# Altium PCB InfraredModule-批量.PcbDoc (part 1 of 2) (continued)
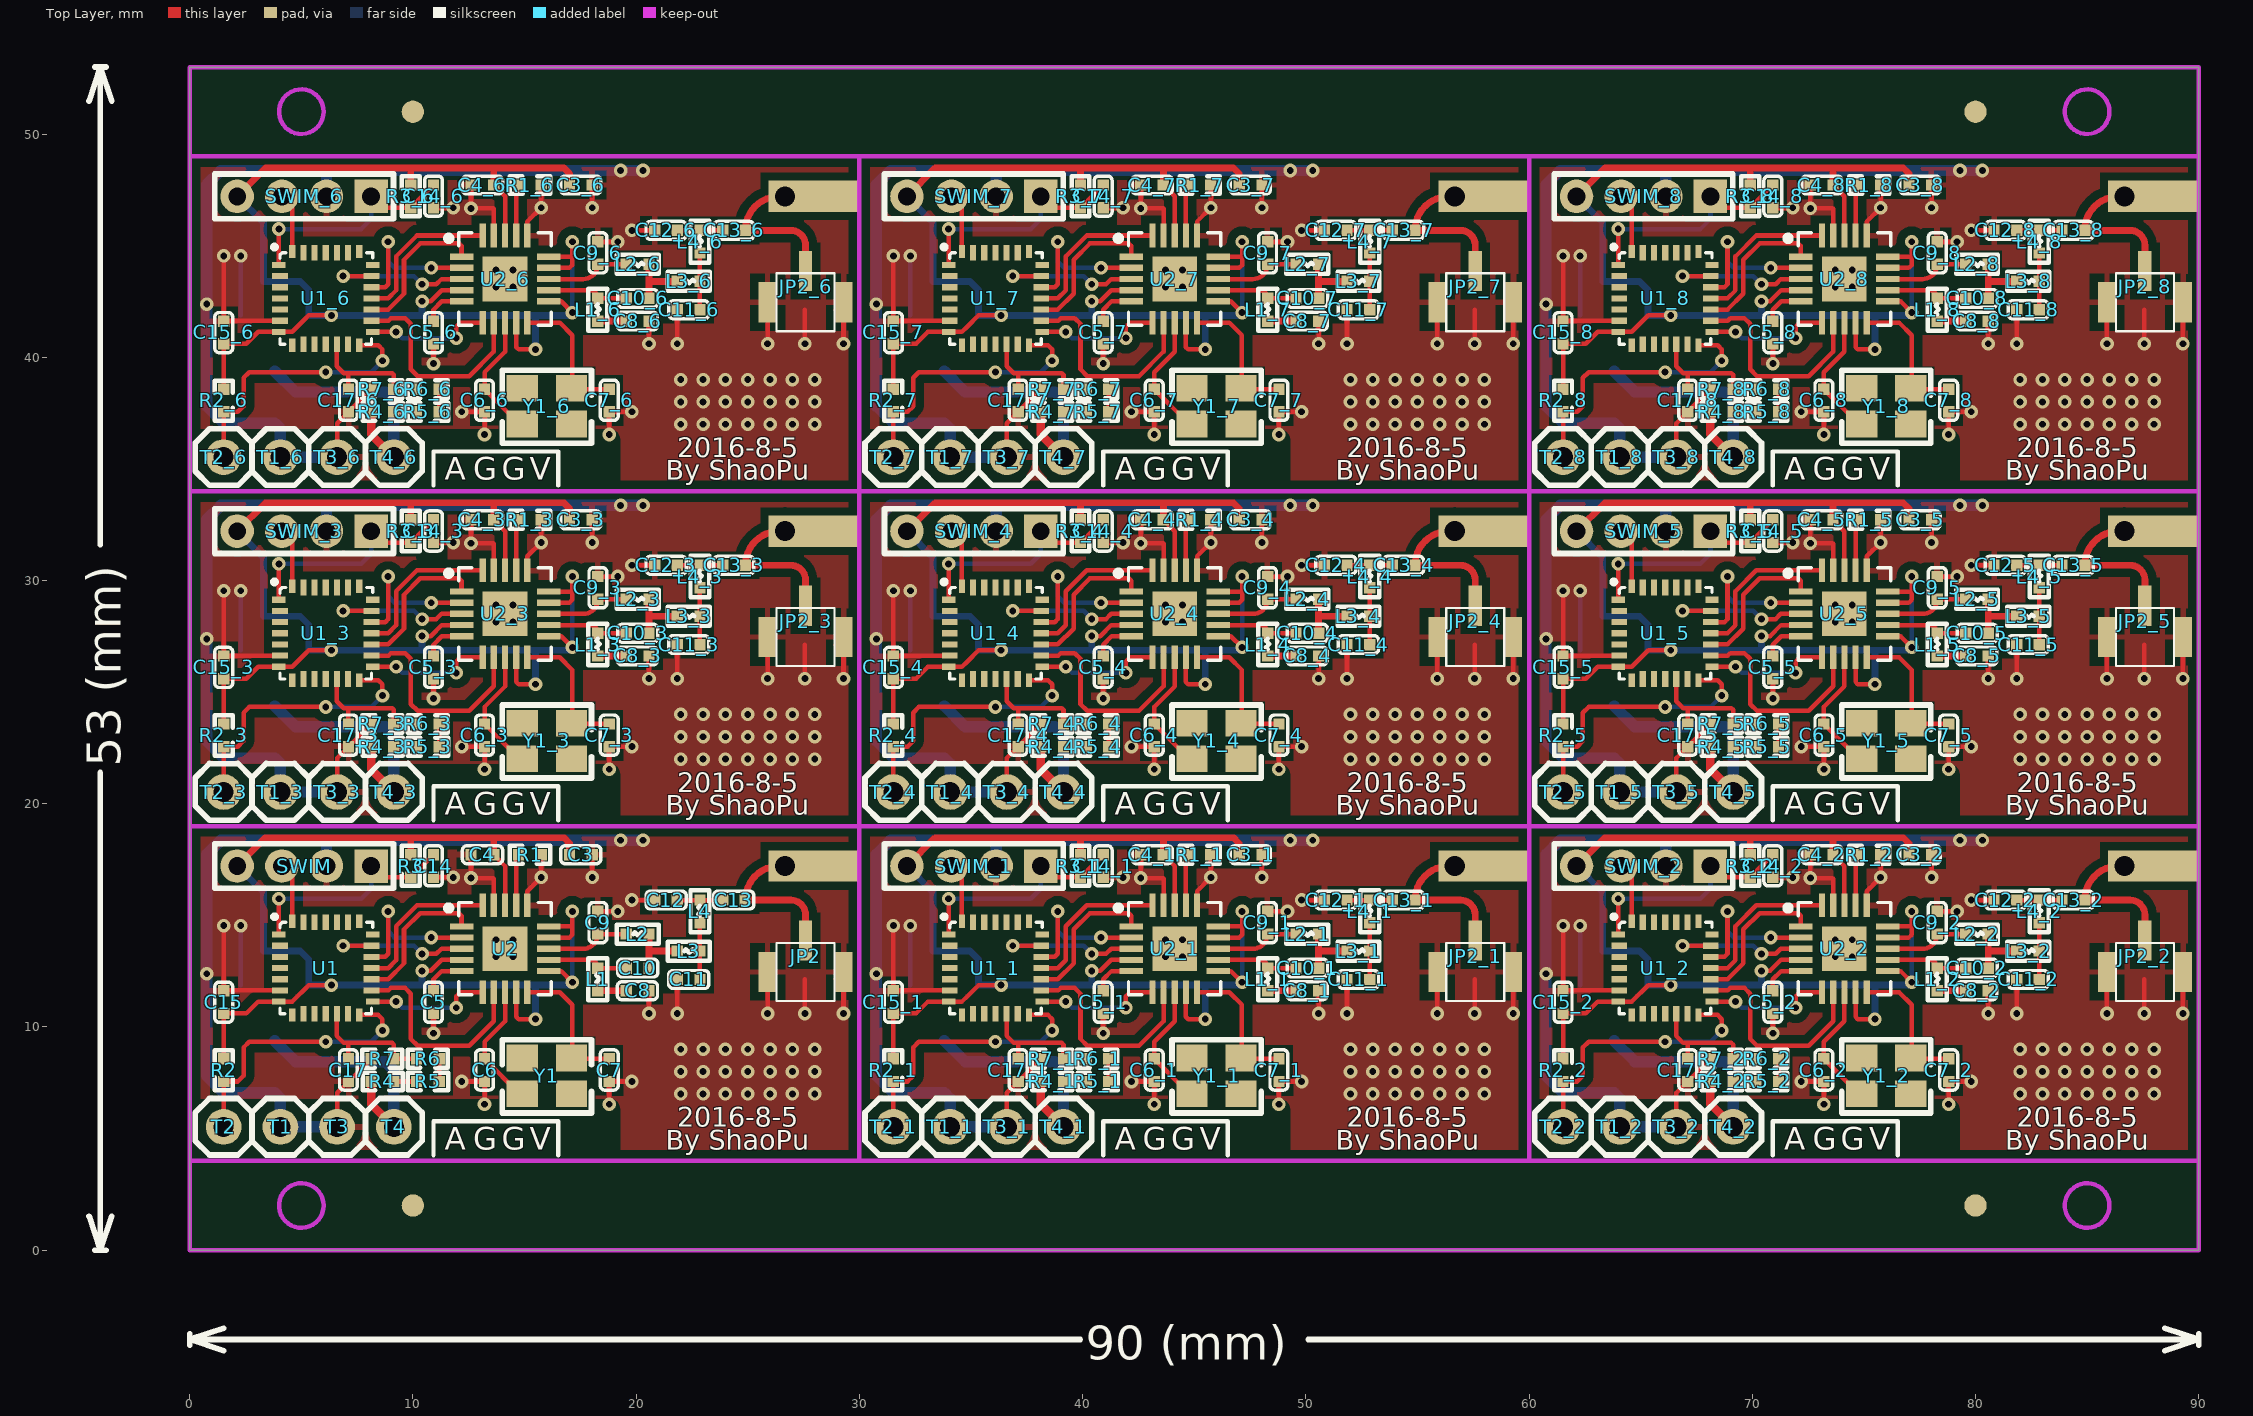
[diagram p0: Top Layer view]
## Components (designator, comment, footprint, x,y, rotation, side; value= is the part's Value field where it differs from the comment) (continued)
JP2_7 "IPEX" IPEX 57.589,44.266 r270 top
JP2_8 "IPEX" IPEX 87.589,44.266 r270 top
L1 "27nH" L0402 18.288,11.62 r90 top
L1_1 "27nH" L0402 48.288,11.62 r90 top (schematic designator L1)
L1_2 "27nH" L0402 78.288,11.62 r90 top (schematic designator L1)
L1_3 "27nH" L0402 18.288,26.62 r90 top (schematic designator L1)
L1_4 "27nH" L0402 48.288,26.62 r90 top (schematic designator L1)
L1_5 "27nH" L0402 78.288,26.62 r90 top (schematic designator L1)
L1_6 "27nH" L0402 18.288,41.62 r90 top (schematic designator L1)
L1_7 "27nH" L0402 48.288,41.62 r90 top (schematic designator L1)
L1_8 "27nH" L0402 78.288,41.62 r90 top (schematic designator L1)
L2 "27nH" L0402 19.558,14.16 r0 top
L2_1 "27nH" L0402 49.558,14.16 r0 top (schematic designator L2)
L2_2 "27nH" L0402 79.558,14.16 r0 top (schematic designator L2)
L2_3 "27nH" L0402 19.558,29.16 r0 top (schematic designator L2)
L2_4 "27nH" L0402 49.558,29.16 r0 top (schematic designator L2)
L2_5 "27nH" L0402 79.558,29.16 r0 top (schematic designator L2)
L2_6 "27nH" L0402 19.558,44.16 r0 top (schematic designator L2)
L2_7 "27nH" L0402 49.558,44.16 r0 top (schematic designator L2)
L2_8 "27nH" L0402 79.558,44.16 r0 top (schematic designator L2)
L3 "22nH" L0402 21.844,13.398 r0 top
L3_1 "22nH" L0402 51.844,13.398 r0 top (schematic designator L3)
L3_2 "22nH" L0402 81.844,13.398 r0 top (schematic designator L3)
L3_3 "22nH" L0402 21.844,28.398 r0 top (schematic designator L3)
L3_4 "22nH" L0402 51.844,28.398 r0 top (schematic designator L3)
L3_5 "22nH" L0402 81.844,28.398 r0 top (schematic designator L3)
L3_6 "22nH" L0402 21.844,43.398 r0 top (schematic designator L3)
L3_7 "22nH" L0402 51.844,43.398 r0 top (schematic designator L3)
L3_8 "22nH" L0402 81.844,43.398 r0 top (schematic designator L3)
L4 "27nH" L0402 22.86,14.668 r90 top
L4_1 "27nH" L0402 52.86,14.668 r90 top (schematic designator L4)
L4_2 "27nH" L0402 82.86,14.668 r90 top (schematic designator L4)
L4_3 "27nH" L0402 22.86,29.668 r90 top (schematic designator L4)
L4_4 "27nH" L0402 52.86,29.668 r90 top (schematic designator L4)
L4_5 "27nH" L0402 82.86,29.668 r90 top (schematic designator L4)
L4_6 "27nH" L0402 22.86,44.668 r90 top (schematic designator L4)
L4_7 "27nH" L0402 52.86,44.668 r90 top (schematic designator L4)
L4_8 "27nH" L0402 82.86,44.668 r90 top (schematic designator L4)
R1 "56K" R0402 15.748,17.716 r180 top
R1_1 "56K" R0402 45.748,17.716 r180 top (schematic designator R1)
R1_2 "56K" R0402 75.748,17.716 r180 top (schematic designator R1)
R1_3 "56K" R0402 15.748,32.716 r180 top (schematic designator R1)
R1_4 "56K" R0402 45.748,32.716 r180 top (schematic designator R1)
R1_5 "56K" R0402 75.748,32.716 r180 top (schematic designator R1)
R1_6 "56K" R0402 15.748,47.716 r180 top (schematic designator R1)
R1_7 "56K" R0402 45.748,47.716 r180 top (schematic designator R1)
R1_8 "56K" R0402 75.748,47.716 r180 top (schematic designator R1)
R2 "3.3M" R0402 1.524,7.556 r90 top
R2_1 "3.3M" R0402 31.524,7.556 r90 top (schematic designator R2)
R2_2 "3.3M" R0402 61.524,7.556 r90 top (schematic designator R2)
R2_3 "3.3M" R0402 1.524,22.556 r90 top (schematic designator R2)
R2_4 "3.3M" R0402 31.524,22.556 r90 top (schematic designator R2)
R2_5 "3.3M" R0402 61.524,22.556 r90 top (schematic designator R2)
R2_6 "3.3M" R0402 1.524,37.556 r90 top (schematic designator R2)
R2_7 "3.3M" R0402 31.524,37.556 r90 top (schematic designator R2)
R2_8 "3.3M" R0402 61.524,37.556 r90 top (schematic designator R2)
R3 "10K" R0402 9.906,17.716 r270 top
R3_1 "10K" R0402 39.906,17.716 r270 top (schematic designator R3)
R3_2 "10K" R0402 69.906,17.716 r270 top (schematic designator R3)
R3_3 "10K" R0402 9.906,32.716 r270 top (schematic designator R3)
R3_4 "10K" R0402 39.906,32.716 r270 top (schematic designator R3)
R3_5 "10K" R0402 69.906,32.716 r270 top (schematic designator R3)
R3_6 "10K" R0402 9.906,47.716 r270 top (schematic designator R3)
R3_7 "10K" R0402 39.906,47.716 r270 top (schematic designator R3)
R3_8 "10K" R0402 69.906,47.716 r270 top (schematic designator R3)
R4 "3.3M" R0402 9.144,7.556 r180 top
R4_1 "3.3M" R0402 39.144,7.556 r180 top (schematic designator R4)
R4_2 "3.3M" R0402 69.144,7.556 r180 top (schematic designator R4)
R4_3 "3.3M" R0402 9.144,22.556 r180 top (schematic designator R4)
R4_4 "3.3M" R0402 39.144,22.556 r180 top (schematic designator R4)
R4_5 "3.3M" R0402 69.144,22.556 r180 top (schematic designator R4)
R4_6 "3.3M" R0402 9.144,37.556 r180 top (schematic designator R4)
R4_7 "3.3M" R0402 39.144,37.556 r180 top (schematic designator R4)
R4_8 "3.3M" R0402 69.144,37.556 r180 top (schematic designator R4)
R5 "3.3M" R0402 11.176,7.556 r180 top
R5_1 "3.3M" R0402 41.176,7.556 r180 top (schematic designator R5)
R5_2 "3.3M" R0402 71.176,7.556 r180 top (schematic designator R5)
R5_3 "3.3M" R0402 11.176,22.556 r180 top (schematic designator R5)
R5_4 "3.3M" R0402 41.176,22.556 r180 top (schematic designator R5)
R5_5 "3.3M" R0402 71.176,22.556 r180 top (schematic designator R5)
R5_6 "3.3M" R0402 11.176,37.556 r180 top (schematic designator R5)
R5_7 "3.3M" R0402 41.176,37.556 r180 top (schematic designator R5)
R5_8 "3.3M" R0402 71.176,37.556 r180 top (schematic designator R5)
R6 "3.3M" R0402 10.16,8.572 r0 top
R6_1 "3.3M" R0402 40.16,8.572 r0 top (schematic designator R6)
R6_2 "3.3M" R0402 70.16,8.572 r0 top (schematic designator R6)
R6_3 "3.3M" R0402 10.16,23.572 r0 top (schematic designator R6)
R6_4 "3.3M" R0402 40.16,23.572 r0 top (schematic designator R6)
R6_5 "3.3M" R0402 70.16,23.572 r0 top (schematic designator R6)
R6_6 "3.3M" R0402 10.16,38.572 r0 top (schematic designator R6)
R6_7 "3.3M" R0402 40.16,38.572 r0 top (schematic designator R6)
R6_8 "3.3M" R0402 70.16,38.572 r0 top (schematic designator R6)
R7 "3.3M" R0402 8.128,8.572 r0 top
R7_1 "3.3M" R0402 38.128,8.572 r0 top (schematic designator R7)
R7_2 "3.3M" R0402 68.128,8.572 r0 top (schematic designator R7)
R7_3 "3.3M" R0402 8.128,23.572 r0 top (schematic designator R7)
R7_4 "3.3M" R0402 38.128,23.572 r0 top (schematic designator R7)
R7_5 "3.3M" R0402 68.128,23.572 r0 top (schematic designator R7)
R7_6 "3.3M" R0402 8.128,38.572 r0 top (schematic designator R7)
R7_7 "3.3M" R0402 38.128,38.572 r0 top (schematic designator R7)
R7_8 "3.3M" R0402 68.128,38.572 r0 top (schematic designator R7)
SWIM "" SIP4-2MM 8.128,17.208 r180 top
SWIM_1 "" SIP4-2MM 38.128,17.208 r180 top (schematic designator SWIM)
SWIM_2 "" SIP4-2MM 68.128,17.208 r180 top (schematic designator SWIM)
SWIM_3 "" SIP4-2MM 8.128,32.208 r180 top (schematic designator SWIM)
SWIM_4 "" SIP4-2MM 38.128,32.208 r180 top (schematic designator SWIM)
SWIM_5 "" SIP4-2MM 68.128,32.208 r180 top (schematic designator SWIM)
SWIM_6 "" SIP4-2MM 8.128,47.208 r180 top (schematic designator SWIM)
SWIM_7 "" SIP4-2MM 38.128,47.208 r180 top (schematic designator SWIM)
SWIM_8 "" SIP4-2MM 68.128,47.208 r180 top (schematic designator SWIM)
T1 "" TP 4.064,5.524 r0 top
T1_1 "" TP 34.064,5.524 r0 top (schematic designator T1)
T1_2 "" TP 64.064,5.524 r0 top (schematic designator T1)
T1_3 "" TP 4.064,20.524 r0 top (schematic designator T1)
T1_4 "" TP 34.064,20.524 r0 top (schematic designator T1)
T1_5 "" TP 64.064,20.524 r0 top (schematic designator T1)
T1_6 "" TP 4.064,35.524 r0 top (schematic designator T1)
T1_7 "" TP 34.064,35.524 r0 top (schematic designator T1)
T1_8 "" TP 64.064,35.524 r0 top (schematic designator T1)
T2 "" TP 1.524,5.524 r0 top
T2_1 "" TP 31.524,5.524 r0 top (schematic designator T2)
T2_2 "" TP 61.524,5.524 r0 top (schematic designator T2)
T2_3 "" TP 1.524,20.524 r0 top (schematic designator T2)
T2_4 "" TP 31.524,20.524 r0 top (schematic designator T2)
T2_5 "" TP 61.524,20.524 r0 top (schematic designator T2)
T2_6 "" TP 1.524,35.524 r0 top (schematic designator T2)
T2_7 "" TP 31.524,35.524 r0 top (schematic designator T2)
T2_8 "" TP 61.524,35.524 r0 top (schematic designator T2)
T3 "" TP 6.604,5.524 r0 top
T3_1 "" TP 36.604,5.524 r0 top (schematic designator T3)
T3_2 "" TP 66.604,5.524 r0 top (schematic designator T3)
T3_3 "" TP 6.604,20.524 r0 top (schematic designator T3)
T3_4 "" TP 36.604,20.524 r0 top (schematic designator T3)
T3_5 "" TP 66.604,20.524 r0 top (schematic designator T3)
T3_6 "" TP 6.604,35.524 r0 top (schematic designator T3)
T3_7 "" TP 36.604,35.524 r0 top (schematic designator T3)
T3_8 "" TP 66.604,35.524 r0 top (schematic designator T3)
T4 "" TP 9.144,5.524 r0 top
T4_1 "" TP 39.144,5.524 r0 top (schematic designator T4)
T4_2 "" TP 69.144,5.524 r0 top (schematic designator T4)
T4_3 "" TP 9.144,20.524 r0 top (schematic designator T4)
T4_4 "" TP 39.144,20.524 r0 top (schematic designator T4)
T4_5 "" TP 69.144,20.524 r0 top (schematic designator T4)
T4_6 "" TP 9.144,35.524 r0 top (schematic designator T4)
T4_7 "" TP 39.144,35.524 r0 top (schematic designator T4)
T4_8 "" TP 69.144,35.524 r0 top (schematic designator T4)
U1 "STM8L151Gx-UFQFPN28" QFN28-4X4 6.096,12.636 r0 top
U1_1 "STM8L151Gx-UFQFPN28" QFN28-4X4 36.096,12.636 r0 top (schematic designator U1)
U1_2 "STM8L151Gx-UFQFPN28" QFN28-4X4 66.096,12.636 r0 top (schematic designator U1)
U1_3 "STM8L151Gx-UFQFPN28" QFN28-4X4 6.096,27.636 r0 top (schematic designator U1)
U1_4 "STM8L151Gx-UFQFPN28" QFN28-4X4 36.096,27.636 r0 top (schematic designator U1)
U1_5 "STM8L151Gx-UFQFPN28" QFN28-4X4 66.096,27.636 r0 top (schematic designator U1)
U1_6 "STM8L151Gx-UFQFPN28" QFN28-4X4 6.096,42.636 r0 top (schematic designator U1)
U1_7 "STM8L151Gx-UFQFPN28" QFN28-4X4 36.096,42.636 r0 top (schematic designator U1)
U1_8 "STM8L151Gx-UFQFPN28" QFN28-4X4 66.096,42.636 r0 top (schematic designator U1)
U2 "CC1101" QLP-20 14.127,13.504 r0 top
U2_1 "CC1101" QLP-20 44.127,13.504 r0 top (schematic designator U2)
U2_2 "CC1101" QLP-20 74.127,13.504 r0 top (schematic designator U2)
U2_3 "CC1101" QLP-20 14.127,28.504 r0 top (schematic designator U2)
U2_4 "CC1101" QLP-20 44.127,28.504 r0 top (schematic designator U2)
U2_5 "CC1101" QLP-20 74.127,28.504 r0 top (schematic designator U2)
U2_6 "CC1101" QLP-20 14.127,43.504 r0 top (schematic designator U2)
U2_7 "CC1101" QLP-20 44.127,43.504 r0 top (schematic designator U2)
U2_8 "CC1101" QLP-20 74.127,43.504 r0 top (schematic designator U2)
U3 "HT753X" SOT-89 3.81,11.874 r0 bottom
U3_1 "HT753X" SOT-89 33.81,11.874 r0 bottom (schematic designator U3)
U3_2 "HT753X" SOT-89 63.81,11.874 r0 bottom (schematic designator U3)
U3_3 "HT753X" SOT-89 3.81,26.874 r0 bottom (schematic designator U3)
U3_4 "HT753X" SOT-89 33.81,26.874 r0 bottom (schematic designator U3)
U3_5 "HT753X" SOT-89 63.81,26.874 r0 bottom (schematic designator U3)
U3_6 "HT753X" SOT-89 3.81,41.874 r0 bottom (schematic designator U3)
U3_7 "HT753X" SOT-89 33.81,41.874 r0 bottom (schematic designator U3)
U3_8 "HT753X" SOT-89 63.81,41.874 r0 bottom (schematic designator U3)
Y1 "26M" XTAL-(3.2X2.5MM)-4P 16.002,7.81 r180 top
Y1_1 "26M" XTAL-(3.2X2.5MM)-4P 46.002,7.81 r180 top (schematic designator Y1)
Y1_2 "26M" XTAL-(3.2X2.5MM)-4P 76.002,7.81 r180 top (schematic designator Y1)
Y1_3 "26M" XTAL-(3.2X2.5MM)-4P 16.002,22.81 r180 top (schematic designator Y1)
Y1_4 "26M" XTAL-(3.2X2.5MM)-4P 46.002,22.81 r180 top (schematic designator Y1)
Y1_5 "26M" XTAL-(3.2X2.5MM)-4P 76.002,22.81 r180 top (schematic designator Y1)
Y1_6 "26M" XTAL-(3.2X2.5MM)-4P 16.002,37.81 r180 top (schematic designator Y1)
Y1_7 "26M" XTAL-(3.2X2.5MM)-4P 46.002,37.81 r180 top (schematic designator Y1)
Y1_8 "26M" XTAL-(3.2X2.5MM)-4P 76.002,37.81 r180 top (schematic designator Y1)

## Footprints (in the part's own frame and the unit in brackets; to place one, negate y for a bottom-side part, rotate by r counter-clockwise, add the part's x,y. Pads: shape width x height; smd on the part's side, far side on the other; paste and mask are expansions set on the pad)
C0402 [mil]
  rect 20x20 smd: 1(0,0) 2(40,0)
  silkscreen extent -16,-16 55,16, body extent 0,-10 39,10, height 20
IPEX [mm]
  rect 1.8x0.8 smd: 0(1.8,1.7) 0(1.8,-1.7)
  rect 1.8x0.6 smd: 1(0.4,0)
  silkscreen extent 0.5,-1.3 3.1,1.3
L0402 [mil]
  rect 20x20 smd: 1(0,0) 2(40,0)
  silkscreen extent -17,-17 57,17, body extent 0,-10 39,10, height 24
QFN28-4X4 [mm] "UFQFPN28"
  rect 0.6x0.28 smd: 1(-2.1,1.5) 7(-2.1,-1.5) 15(2.1,-1.5) 21(2.1,1.5)
  rect 0.7x0.28 smd: 2(-2.05,1) 3(-2.05,0.5) 4(-2.05,0) 5(-2.05,-0.5) 6(-2.05,-1) 16(2.05,-1) 17(2.05,-0.5) 18(2.05,0) 19(2.05,0.5) 20(2.05,1)
  rect 0.28x0.6 smd: 8(-1.5,-2.1) 14(1.5,-2.1) 22(1.5,2.1) 28(-1.5,2.1)
  rect 0.28x0.7 smd: 9(-1,-2.05) 10(-0.5,-2.05) 11(0,-2.05) 12(0.5,-2.05) 13(1,-2.05) 23(1,2.05) 24(0.5,2.05) 25(0,2.05) 26(-0.5,2.05) 27(-1,2.05)
  silkscreen extent -2.35,-2.05 2.1,2.35
QLP-20 [mm]
  rect 1.054x0.28 smd: 1(-1.949,1) 2(-1.949,0.5) 3(-1.949,0) 4(-1.949,-0.5) 5(-1.949,-1) 11(1.949,-1) 12(1.949,-0.5) 13(1.949,0) 14(1.949,0.5) 15(1.949,1)
  rect 0.28x1.054 smd: 6(-1,-1.949) 7(-0.5,-1.949) 8(0,-1.949) 9(0.5,-1.949) 10(1,-1.949) 16(1,1.949) 17(0.5,1.949) 18(0,1.949) 19(-0.5,1.949) 20(-1,1.949)
  rect 2x2 smd paste-1.194 mask-1.194: 21(0,-0.001)
  silkscreen extent -2.65,-2.07 2.07,2.07, body extent -2.02,-2 2.02,2.04, height 0.8
R0402 [mil]
  rect 20x20 smd: 1(0,0) 2(40,0)
  silkscreen extent -16,-16 55,16, body extent 0,-9 39,11, height 14
SIP4-2MM [mm]
  rect 1.5x1.5 hole 0.8: 1(0,0)
  round 1.5 hole 0.8: 2(2,0) 3(4,0) 4(6,0)
  silkscreen extent -1,-1 7,1
SOT-89 [mil]
  rect 34x50 smd: 1(-60,0) 3(60,0)
  rect 34x100 smd: 2(0,23.62)
  oct 78.74x133.86 smd: 2(0,98.43)
  silkscreen extent -80,40 80,170, body extent -89,-15 88,154, height 59
TP [mm]
  round 1.6 hole 0.9: 1(0,0)
  silkscreen extent -1.27,-1.26 1.27,1.28, body extent -1.27,-1.27 1.27,1.27, height 8.54
XTAL-(3.2X2.5MM)-4P [mm]
  rect 1.397x1.194 smd: 1(-1.1,-0.8) 2(1.1,0.8) 3(1.1,-0.8) 4(-1.1,0.8)
  silkscreen extent -2,-1.61 2,1.66

## Part data
C2 C2_1 C2_2 C2_3 C2_4 C2_5 C2_6 C2_7 C2_8 C3 C3_1 C3_2 C3_3 C3_4 C3_5 C3_6 C3_7 C3_8 C4 C4_1 C4_2 C4_3 C4_4 C4_5 C4_6 C4_7 C4_8 C5 C5_1 C5_2 C5_3 C5_4 C5_5 C5_6 C5_7 C5_8 C6 C6_1 C6_2 C6_3 C6_4 C6_5 C6_6 C6_7 C6_8 C7 C7_1 C7_2 C7_3 C7_4 C7_5 C7_6 C7_7 C7_8 C8 C8_1 C8_2 C8_3 C8_4 C8_5 C8_6 C8_7 C8_8 C9 C9_1 C9_2 C9_3 C9_4 C9_5 C9_6 C9_7 C9_8 C10 C10_1 C10_2 C10_3 C10_4 C10_5 C10_6 C10_7 C10_8 C11 C11_1 C11_2 C11_3 C11_4 C11_5 C11_6 C11_7 C11_8 C12 C12_1 C12_2 C12_3 C12_4 C12_5 C12_6 C12_7 C12_8 C13 C13_1 C13_2 C13_3 C13_4 C13_5 C13_6 C13_7 C13_8 C14 C14_1 C14_2 C14_3 C14_4 C14_5 C14_6 C14_7 C14_8 C15 C15_1 C15_2 C15_3 C15_4 C15_5 C15_6 C15_7 C15_8 C17 C17_1 C17_2 C17_3 C17_4 C17_5 C17_6 C17_7 C17_8: library part CAP, "无极性电容"
L1 L1_1 L1_2 L1_3 L1_4 L1_5 L1_6 L1_7 L1_8 L2 L2_1 L2_2 L2_3 L2_4 L2_5 L2_6 L2_7 L2_8 L3 L3_1 L3_2 L3_3 L3_4 L3_5 L3_6 L3_7 L3_8 L4 L4_1 L4_2 L4_3 L4_4 L4_5 L4_6 L4_7 L4_8: library part INDUCTOR, "电感"
R1 R1_1 R1_2 R1_3 R1_4 R1_5 R1_6 R1_7 R1_8 R2 R2_1 R2_2 R2_3 R2_4 R2_5 R2_6 R2_7 R2_8 R3 R3_1 R3_2 R3_3 R3_4 R3_5 R3_6 R3_7 R3_8 R4 R4_1 R4_2 R4_3 R4_4 R4_5 R4_6 R4_7 R4_8 R5 R5_1 R5_2 R5_3 R5_4 R5_5 R5_6 R5_7 R5_8 R6 R6_1 R6_2 R6_3 R6_4 R6_5 R6_6 R6_7 R6_8 R7 R7_1 R7_2 R7_3 R7_4 R7_5 R7_6 R7_7 R7_8: library part RES2, "贴片电阻"
SWIM SWIM_1 SWIM_2 SWIM_3 SWIM_4 SWIM_5 SWIM_6 SWIM_7 SWIM_8: library part "HEADER 4X1"
T1 T1_1 T1_2 T1_3 T1_4 T1_5 T1_6 T1_7 T1_8 T2 T2_1 T2_2 T2_3 T2_4 T2_5 T2_6 T2_7 T2_8 T3 T3_1 T3_2 T3_3 T3_4 T3_5 T3_6 T3_7 T3_8 T4 T4_1 T4_2 T4_3 T4_4 T4_5 T4_6 T4_7 T4_8: library part TP, "测试点/触摸点"
U1 U1_1 U1_2 U1_3 U1_4 U1_5 U1_6 U1_7 U1_8: "STM8L单片机28引脚,封装UFQFPN28"
U2 U2_1 U2_2 U2_3 U2_4 U2_5 U2_6 U2_7 U2_8: "RF芯片 TI CC系列"
U3 U3_1 U3_2 U3_3 U3_4 U3_5 U3_6 U3_7 U3_8: "合泰稳压芯片HT系列"
Y1 Y1_1 Y1_2 Y1_3 Y1_4 Y1_5 Y1_6 Y1_7 Y1_8: library part XTAL, "晶振"

## Free pads (board coordinates)
  round 1 smd: 0(10,2) 0(10,51) 0(80,2) 0(80,51)
  round 1.4 hole 0.9: 0(26.67,17.208) 0(26.67,32.208) 0(26.67,47.208) 0(56.67,17.208) 0(56.67,32.208) 0(56.67,47.208) 0(86.67,17.208) 0(86.67,32.208) 0(86.67,47.208)
  rect 4x1.4 smd: 0(27.94,17.208) 0(27.94,32.208) 0(27.94,47.208) 0(57.94,17.208) 0(57.94,32.208) 0(57.94,47.208) 0(87.94,17.208) 0(87.94,32.208) 0(87.94,47.208)

## Via types
v1: diameter 0.61, hole 0.305, Top Layer to Bottom Layer, 540 vias

## Nets (pads, with @x,y where several pads share a name; then routed paths per layer and width w, separated by ;. In a path a pad name is that pad's centre, name@x,y a point inside that pad or via, vN(x,y) a via of type N, cw(c..) or ccw(c..) an arc to the next point about the centre after c; other vN are vias at no path point)
+3V: 
+12V: 
CSN: 
GDO0: 
GDO2: 
GND: 
KEY: 
LED: 
MISO: 
MOSI: 
NetC5_2: 
NetC8_1: 
NetC10_1: 
NetC11_1: 
NetC12_1: 
NetR1_2: 
NetR4_1: 
NetR5_1: 
PB0: 
RF_N: 
RF_P: 
RFOUT: 
RST: 
RX: 
SCK: 
SWIM: 
TX: 
XOSC1: 
XOSC2: 
pads on no net: C2.1 C2.2 C2_1.1 C2_1.2 C2_2.1 C2_2.2 C2_3.1 C2_3.2 C2_4.1 C2_4.2 C2_5.1 C2_5.2 C2_6.1 C2_6.2 C2_7.1 C2_7.2 C2_8.1 C2_8.2 C3.1 C3.2 C3_1.1 C3_1.2 C3_2.1 C3_2.2 C3_3.1 C3_3.2 C3_4.1 C3_4.2 C3_5.1 C3_5.2 C3_6.1 C3_6.2 C3_7.1 C3_7.2 C3_8.1 C3_8.2 C4.1 C4.2 C4_1.1 C4_1.2 C4_2.1 C4_2.2 C4_3.1 C4_3.2 C4_4.1 C4_4.2 C4_5.1 C4_5.2 C4_6.1 C4_6.2 C4_7.1 C4_7.2 C4_8.1 C4_8.2 C5.1 C5.2 C5_1.1 C5_1.2 C5_2.1 C5_2.2 C5_3.1 C5_3.2 C5_4.1 C5_4.2 C5_5.1 C5_5.2 C5_6.1 C5_6.2 C5_7.1 C5_7.2 C5_8.1 C5_8.2 C6.1 C6.2 C6_1.1 C6_1.2 C6_2.1 C6_2.2 C6_3.1 C6_3.2 C6_4.1 C6_4.2 C6_5.1 C6_5.2 C6_6.1 C6_6.2 C6_7.1 C6_7.2 C6_8.1 C6_8.2 C7.1 C7.2 C7_1.1 C7_1.2 C7_2.1 C7_2.2 C7_3.1 C7_3.2 C7_4.1 C7_4.2 C7_5.1 C7_5.2 C7_6.1 C7_6.2 C7_7.1 C7_7.2 C7_8.1 C7_8.2 C8.1 C8.2 C8_1.1 C8_1.2 C8_2.1 C8_2.2 C8_3.1 C8_3.2 C8_4.1 C8_4.2 C8_5.1 C8_5.2 C8_6.1 C8_6.2 C8_7.1 C8_7.2 C8_8.1 C8_8.2 C9.1 C9.2 C9_1.1 C9_1.2 C9_2.1 C9_2.2 C9_3.1 C9_3.2 C9_4.1 C9_4.2 C9_5.1 C9_5.2 C9_6.1 C9_6.2 C9_7.1 C9_7.2 C9_8.1 C9_8.2 C10.1 C10.2 C10_1.1 C10_1.2 C10_2.1 C10_2.2 C10_3.1 C10_3.2 C10_4.1 C10_4.2 C10_5.1 C10_5.2 C10_6.1 C10_6.2 C10_7.1 C10_7.2 C10_8.1 C10_8.2 C11.1 C11.2 C11_1.1 C11_1.2 C11_2.1 C11_2.2 C11_3.1 C11_3.2 C11_4.1 C11_4.2 C11_5.1 C11_5.2 C11_6.1 C11_6.2 C11_7.1 C11_7.2 C11_8.1 C11_8.2 C12.1 C12.2 C12_1.1 C12_1.2 C12_2.1 C12_2.2 C12_3.1 C12_3.2 C12_4.1 C12_4.2 C12_5.1 C12_5.2 C12_6.1 C12_6.2 C12_7.1 C12_7.2 C12_8.1 C12_8.2 C13.1 C13.2 C13_1.1 C13_1.2 C13_2.1 C13_2.2 C13_3.1 C13_3.2 C13_4.1 C13_4.2 C13_5.1 C13_5.2 C13_6.1 C13_6.2 C13_7.1 C13_7.2 C13_8.1 C13_8.2 C14.1 C14.2 C14_1.1 C14_1.2 C14_2.1 C14_2.2 C14_3.1 C14_3.2 C14_4.1 C14_4.2 C14_5.1 C14_5.2 C14_6.1 C14_6.2 C14_7.1 C14_7.2 C14_8.1 C14_8.2 C15.1 C15.2 C15_1.1 C15_1.2 C15_2.1 C15_2.2 C15_3.1 C15_3.2 C15_4.1 C15_4.2 C15_5.1 C15_5.2 C15_6.1 C15_6.2 C15_7.1 C15_7.2 C15_8.1 C15_8.2 C17.1 C17.2 C17_1.1 C17_1.2 C17_2.1 C17_2.2 C17_3.1 C17_3.2 C17_4.1 C17_4.2 C17_5.1 C17_5.2 C17_6.1 C17_6.2 C17_7.1 C17_7.2 C17_8.1 C17_8.2 JP2.0 JP2.1 JP2_1.0 JP2_1.1 JP2_2.0 JP2_2.1 JP2_3.0 JP2_3.1 JP2_4.0 JP2_4.1 JP2_5.0 JP2_5.1 JP2_6.0 JP2_6.1 JP2_7.0 JP2_7.1 JP2_8.0 JP2_8.1 L1.1 L1.2 L1_1.1 L1_1.2 L1_2.1 L1_2.2 L1_3.1 L1_3.2 L1_4.1 L1_4.2 L1_5.1 L1_5.2 L1_6.1 L1_6.2 L1_7.1 L1_7.2 L1_8.1 L1_8.2 L2.1 L2.2 L2_1.1 L2_1.2 L2_2.1 L2_2.2 L2_3.1 L2_3.2 L2_4.1 L2_4.2 L2_5.1 L2_5.2 L2_6.1 L2_6.2 L2_7.1 L2_7.2 L2_8.1 L2_8.2 L3.1 L3.2 L3_1.1 L3_1.2 L3_2.1 L3_2.2 L3_3.1 L3_3.2 L3_4.1 L3_4.2 L3_5.1 L3_5.2 L3_6.1 L3_6.2 L3_7.1 L3_7.2 L3_8.1 L3_8.2 L4.1 L4.2 L4_1.1 L4_1.2 L4_2.1 L4_2.2 L4_3.1 L4_3.2 L4_4.1 L4_4.2 L4_5.1 L4_5.2 L4_6.1 L4_6.2 L4_7.1 L4_7.2 L4_8.1 L4_8.2 R1.1 R1.2 R1_1.1 R1_1.2 R1_2.1 R1_2.2 R1_3.1 R1_3.2 R1_4.1 R1_4.2 R1_5.1 R1_5.2 R1_6.1 R1_6.2 R1_7.1 R1_7.2 R1_8.1 R1_8.2 R2.1 R2.2 R2_1.1 R2_1.2 R2_2.1 R2_2.2 R2_3.1 R2_3.2 R2_4.1 R2_4.2 R2_5.1 R2_5.2 R2_6.1 R2_6.2 R2_7.1 R2_7.2 R2_8.1 R2_8.2 R3.1 R3.2 R3_1.1 R3_1.2 R3_2.1 R3_2.2 R3_3.1 R3_3.2 R3_4.1 R3_4.2 R3_5.1 R3_5.2 R3_6.1 R3_6.2 R3_7.1 R3_7.2 R3_8.1 R3_8.2 R4.1 R4.2 R4_1.1 R4_1.2 R4_2.1 R4_2.2 R4_3.1 R4_3.2 R4_4.1 R4_4.2 R4_5.1 R4_5.2 R4_6.1 R4_6.2 R4_7.1 R4_7.2 R4_8.1 R4_8.2 R5.1 R5.2 R5_1.1 R5_1.2 R5_2.1 R5_2.2 R5_3.1 R5_3.2 R5_4.1 R5_4.2 R5_5.1 R5_5.2 R5_6.1 R5_6.2 R5_7.1 R5_7.2 R5_8.1 R5_8.2 R6.1 R6.2 R6_1.1 R6_1.2 R6_2.1 R6_2.2 R6_3.1 R6_3.2 R6_4.1 R6_4.2 R6_5.1 R6_5.2 R6_6.1 R6_6.2 R6_7.1 R6_7.2 R6_8.1 R6_8.2 R7.1 R7.2 R7_1.1 R7_1.2 R7_2.1 R7_2.2 R7_3.1 R7_3.2 R7_4.1 R7_4.2 R7_5.1 R7_5.2 R7_6.1 R7_6.2 R7_7.1 R7_7.2 R7_8.1 R7_8.2 SWIM.1 SWIM.2 SWIM.3 SWIM.4 SWIM_1.1 SWIM_1.2 SWIM_1.3 SWIM_1.4 SWIM_2.1 SWIM_2.2 SWIM_2.3 SWIM_2.4 SWIM_3.1 SWIM_3.2 SWIM_3.3 SWIM_3.4 SWIM_4.1 SWIM_4.2 SWIM_4.3 SWIM_4.4 SWIM_5.1 SWIM_5.2 SWIM_5.3 SWIM_5.4 SWIM_6.1 SWIM_6.2 SWIM_6.3 SWIM_6.4 SWIM_7.1 SWIM_7.2 SWIM_7.3 SWIM_7.4 SWIM_8.1 SWIM_8.2 SWIM_8.3 SWIM_8.4 T1.1 T1_1.1 T1_2.1 T1_3.1 T1_4.1 T1_5.1 T1_6.1 T1_7.1 T1_8.1 T2.1 T2_1.1 T2_2.1 T2_3.1 T2_4.1 T2_5.1 T2_6.1 T2_7.1 T2_8.1 T3.1 T3_1.1 T3_2.1 T3_3.1 T3_4.1 T3_5.1 T3_6.1 T3_7.1 T3_8.1 T4.1 T4_1.1 T4_2.1 T4_3.1 T4_4.1 T4_5.1 T4_6.1 T4_7.1 T4_8.1 U1.1 U1.2 U1.3 U1.4 U1.5 U1.6 U1.7 U1.8 U1.9 U1.10 U1.11 U1.12 U1.13 U1.14 U1.15 U1.16 U1.17 U1.18 U1.19 U1.20 U1.21 U1.22 U1.23 U1.24 U1.25 U1.26 U1.27 U1.28 U1_1.1 U1_1.2 U1_1.3 U1_1.4 U1_1.5 U1_1.6 U1_1.7 U1_1.8 U1_1.9 U1_1.10 U1_1.11 U1_1.12 U1_1.13 U1_1.14 U1_1.15 U1_1.16 U1_1.17 U1_1.18 U1_1.19 U1_1.20 U1_1.21 U1_1.22 U1_1.23 U1_1.24 U1_1.25 U1_1.26 U1_1.27 U1_1.28 U1_2.1 U1_2.2 U1_2.3 U1_2.4 U1_2.5 U1_2.6 U1_2.7 U1_2.8 U1_2.9 U1_2.10 U1_2.11 U1_2.12 U1_2.13 U1_2.14 U1_2.15 U1_2.16 U1_2.17 U1_2.18 U1_2.19 U1_2.20 U1_2.21 U1_2.22 U1_2.23 U1_2.24 U1_2.25 U1_2.26 U1_2.27 U1_2.28 U1_3.1 U1_3.2 U1_3.3 U1_3.4 U1_3.5 U1_3.6 U1_3.7 U1_3.8 U1_3.9 U1_3.10 U1_3.11 U1_3.12 U1_3.13 U1_3.14 U1_3.15 U1_3.16 U1_3.17 U1_3.18 U1_3.19 U1_3.20 U1_3.21 U1_3.22 U1_3.23 U1_3.24 U1_3.25 U1_3.26 U1_3.27 U1_3.28 U1_4.1 U1_4.2 U1_4.3 U1_4.4 U1_4.5 U1_4.6 U1_4.7 U1_4.8 U1_4.9 U1_4.10 U1_4.11 U1_4.12 U1_4.13 U1_4.14 U1_4.15 U1_4.16 U1_4.17 U1_4.18 U1_4.19 U1_4.20 U1_4.21 U1_4.22 U1_4.23 U1_4.24 U1_4.25 U1_4.26 U1_4.27 U1_4.28 U1_5.1 U1_5.2 U1_5.3 U1_5.4 U1_5.5 U1_5.6 U1_5.7 U1_5.8 U1_5.9 U1_5.10 U1_5.11 U1_5.12 U1_5.13 U1_5.14 U1_5.15 U1_5.16 U1_5.17 U1_5.18 U1_5.19 U1_5.20 U1_5.21 U1_5.22 U1_5.23 U1_5.24 U1_5.25 U1_5.26 U1_5.27 U1_5.28 U1_6.1 U1_6.2 U1_6.3 U1_6.4 U1_6.5 U1_6.6 U1_6.7 U1_6.8 U1_6.9 U1_6.10 U1_6.11 U1_6.12 U1_6.13 U1_6.14 U1_6.15 U1_6.16 U1_6.17 U1_6.18 U1_6.19 U1_6.20 U1_6.21 U1_6.22 U1_6.23 U1_6.24 U1_6.25 U1_6.26 U1_6.27 U1_6.28 U1_7.1 U1_7.2 U1_7.3 U1_7.4 U1_7.5 U1_7.6 U1_7.7 U1_7.8 U1_7.9 U1_7.10 U1_7.11 U1_7.12 U1_7.13 U1_7.14 U1_7.15 U1_7.16 U1_7.17 U1_7.18 U1_7.19 U1_7.20 U1_7.21 U1_7.22 U1_7.23 U1_7.24 U1_7.25 U1_7.26 U1_7.27 U1_7.28 U1_8.1 U1_8.2 U1_8.3 U1_8.4 U1_8.5 U1_8.6 U1_8.7 U1_8.8 U1_8.9 U1_8.10 U1_8.11 U1_8.12 U1_8.13 U1_8.14 U1_8.15 U1_8.16 U1_8.17 U1_8.18 U1_8.19 U1_8.20 U1_8.21 U1_8.22 U1_8.23 U1_8.24 U1_8.25 U1_8.26 U1_8.27 U1_8.28 U2.1 U2.2 U2.3 U2.4 U2.5 U2.6 U2.7 U2.8 U2.9 U2.10 U2.11 U2.12 U2.13 U2.14 U2.15 U2.16 U2.17 U2.18 U2.19 U2.20 U2.21 U2_1.1 U2_1.2 U2_1.3 U2_1.4 U2_1.5 U2_1.6 U2_1.7 U2_1.8 U2_1.9 U2_1.10 U2_1.11 U2_1.12 U2_1.13 U2_1.14 U2_1.15 U2_1.16 U2_1.17 U2_1.18 U2_1.19 U2_1.20 U2_1.21 U2_2.1 U2_2.2 U2_2.3 U2_2.4 U2_2.5 U2_2.6 U2_2.7 U2_2.8 U2_2.9 U2_2.10 U2_2.11 U2_2.12 U2_2.13 U2_2.14 U2_2.15 U2_2.16 U2_2.17 U2_2.18 U2_2.19 U2_2.20 U2_2.21 U2_3.1 U2_3.2 U2_3.3 U2_3.4 U2_3.5 U2_3.6 U2_3.7 U2_3.8 U2_3.9 U2_3.10 U2_3.11 U2_3.12 U2_3.13 U2_3.14 U2_3.15 U2_3.16 U2_3.17 U2_3.18 U2_3.19 U2_3.20 U2_3.21 U2_4.1 U2_4.2 U2_4.3 U2_4.4 U2_4.5 U2_4.6 U2_4.7 U2_4.8 U2_4.9 U2_4.10 U2_4.11 U2_4.12 U2_4.13 U2_4.14 U2_4.15 U2_4.16 U2_4.17 U2_4.18 U2_4.19 U2_4.20 U2_4.21 U2_5.1 U2_5.2 U2_5.3 U2_5.4 U2_5.5 U2_5.6 U2_5.7 U2_5.8 U2_5.9 U2_5.10 U2_5.11 U2_5.12 U2_5.13 U2_5.14 U2_5.15 U2_5.16 U2_5.17 U2_5.18 U2_5.19 U2_5.20 U2_5.21 U2_6.1 U2_6.2 U2_6.3 U2_6.4 U2_6.5 U2_6.6 U2_6.7 U2_6.8 U2_6.9 U2_6.10 U2_6.11 U2_6.12 U2_6.13 U2_6.14 U2_6.15 U2_6.16 U2_6.17 U2_6.18 U2_6.19 U2_6.20 U2_6.21 U2_7.1 U2_7.2 U2_7.3 U2_7.4 U2_7.5 U2_7.6 U2_7.7 U2_7.8 U2_7.9 U2_7.10 U2_7.11 U2_7.12 U2_7.13 U2_7.14 U2_7.15 U2_7.16 U2_7.17 U2_7.18 U2_7.19 U2_7.20 U2_7.21 U2_8.1 U2_8.2 U2_8.3 U2_8.4 U2_8.5 U2_8.6 U2_8.7 U2_8.8 U2_8.9 U2_8.10 U2_8.11 U2_8.12 U2_8.13 U2_8.14 U2_8.15 U2_8.16 U2_8.17 U2_8.18 U2_8.19 U2_8.20 U2_8.21 U3.1 U3.2 U3.3 U3_1.1 U3_1.2 U3_1.3 U3_2.1 U3_2.2 U3_2.3 U3_3.1 U3_3.2 U3_3.3 U3_4.1 U3_4.2 U3_4.3 U3_5.1 U3_5.2 U3_5.3 U3_6.1 U3_6.2 U3_6.3 U3_7.1 U3_7.2 U3_7.3 U3_8.1 U3_8.2 U3_8.3 Y1.1 Y1.2 Y1.3 Y1.4 Y1_1.1 Y1_1.2 Y1_1.3 Y1_1.4 Y1_2.1 Y1_2.2 Y1_2.3 Y1_2.4 Y1_3.1 Y1_3.2 Y1_3.3 Y1_3.4 Y1_4.1 Y1_4.2 Y1_4.3 Y1_4.4 Y1_5.1 Y1_5.2 Y1_5.3 Y1_5.4 Y1_6.1 Y1_6.2 Y1_6.3 Y1_6.4 Y1_7.1 Y1_7.2 Y1_7.3 Y1_7.4 Y1_8.1 Y1_8.2 Y1_8.3 Y1_8.4